# Altium PCB HIL_RIG_REV_1_2.PcbDoc (part 14 of 14)
Units mil, origin at the board's own origin, x right, y up, seen from the top; angles counter-clockwise.
Board outline 9845 x 7590 mil, 6 copper layers (Top Layer, Int1 (GND), Int2 (PWR), Int3 (Sign), Int4 (GND), Bottom Layer), stack 60.566 mil thick; 1465 components, 731 nets, 4058 pads, 3944 vias.
Unrouted connection lines stored in the file: 1754.
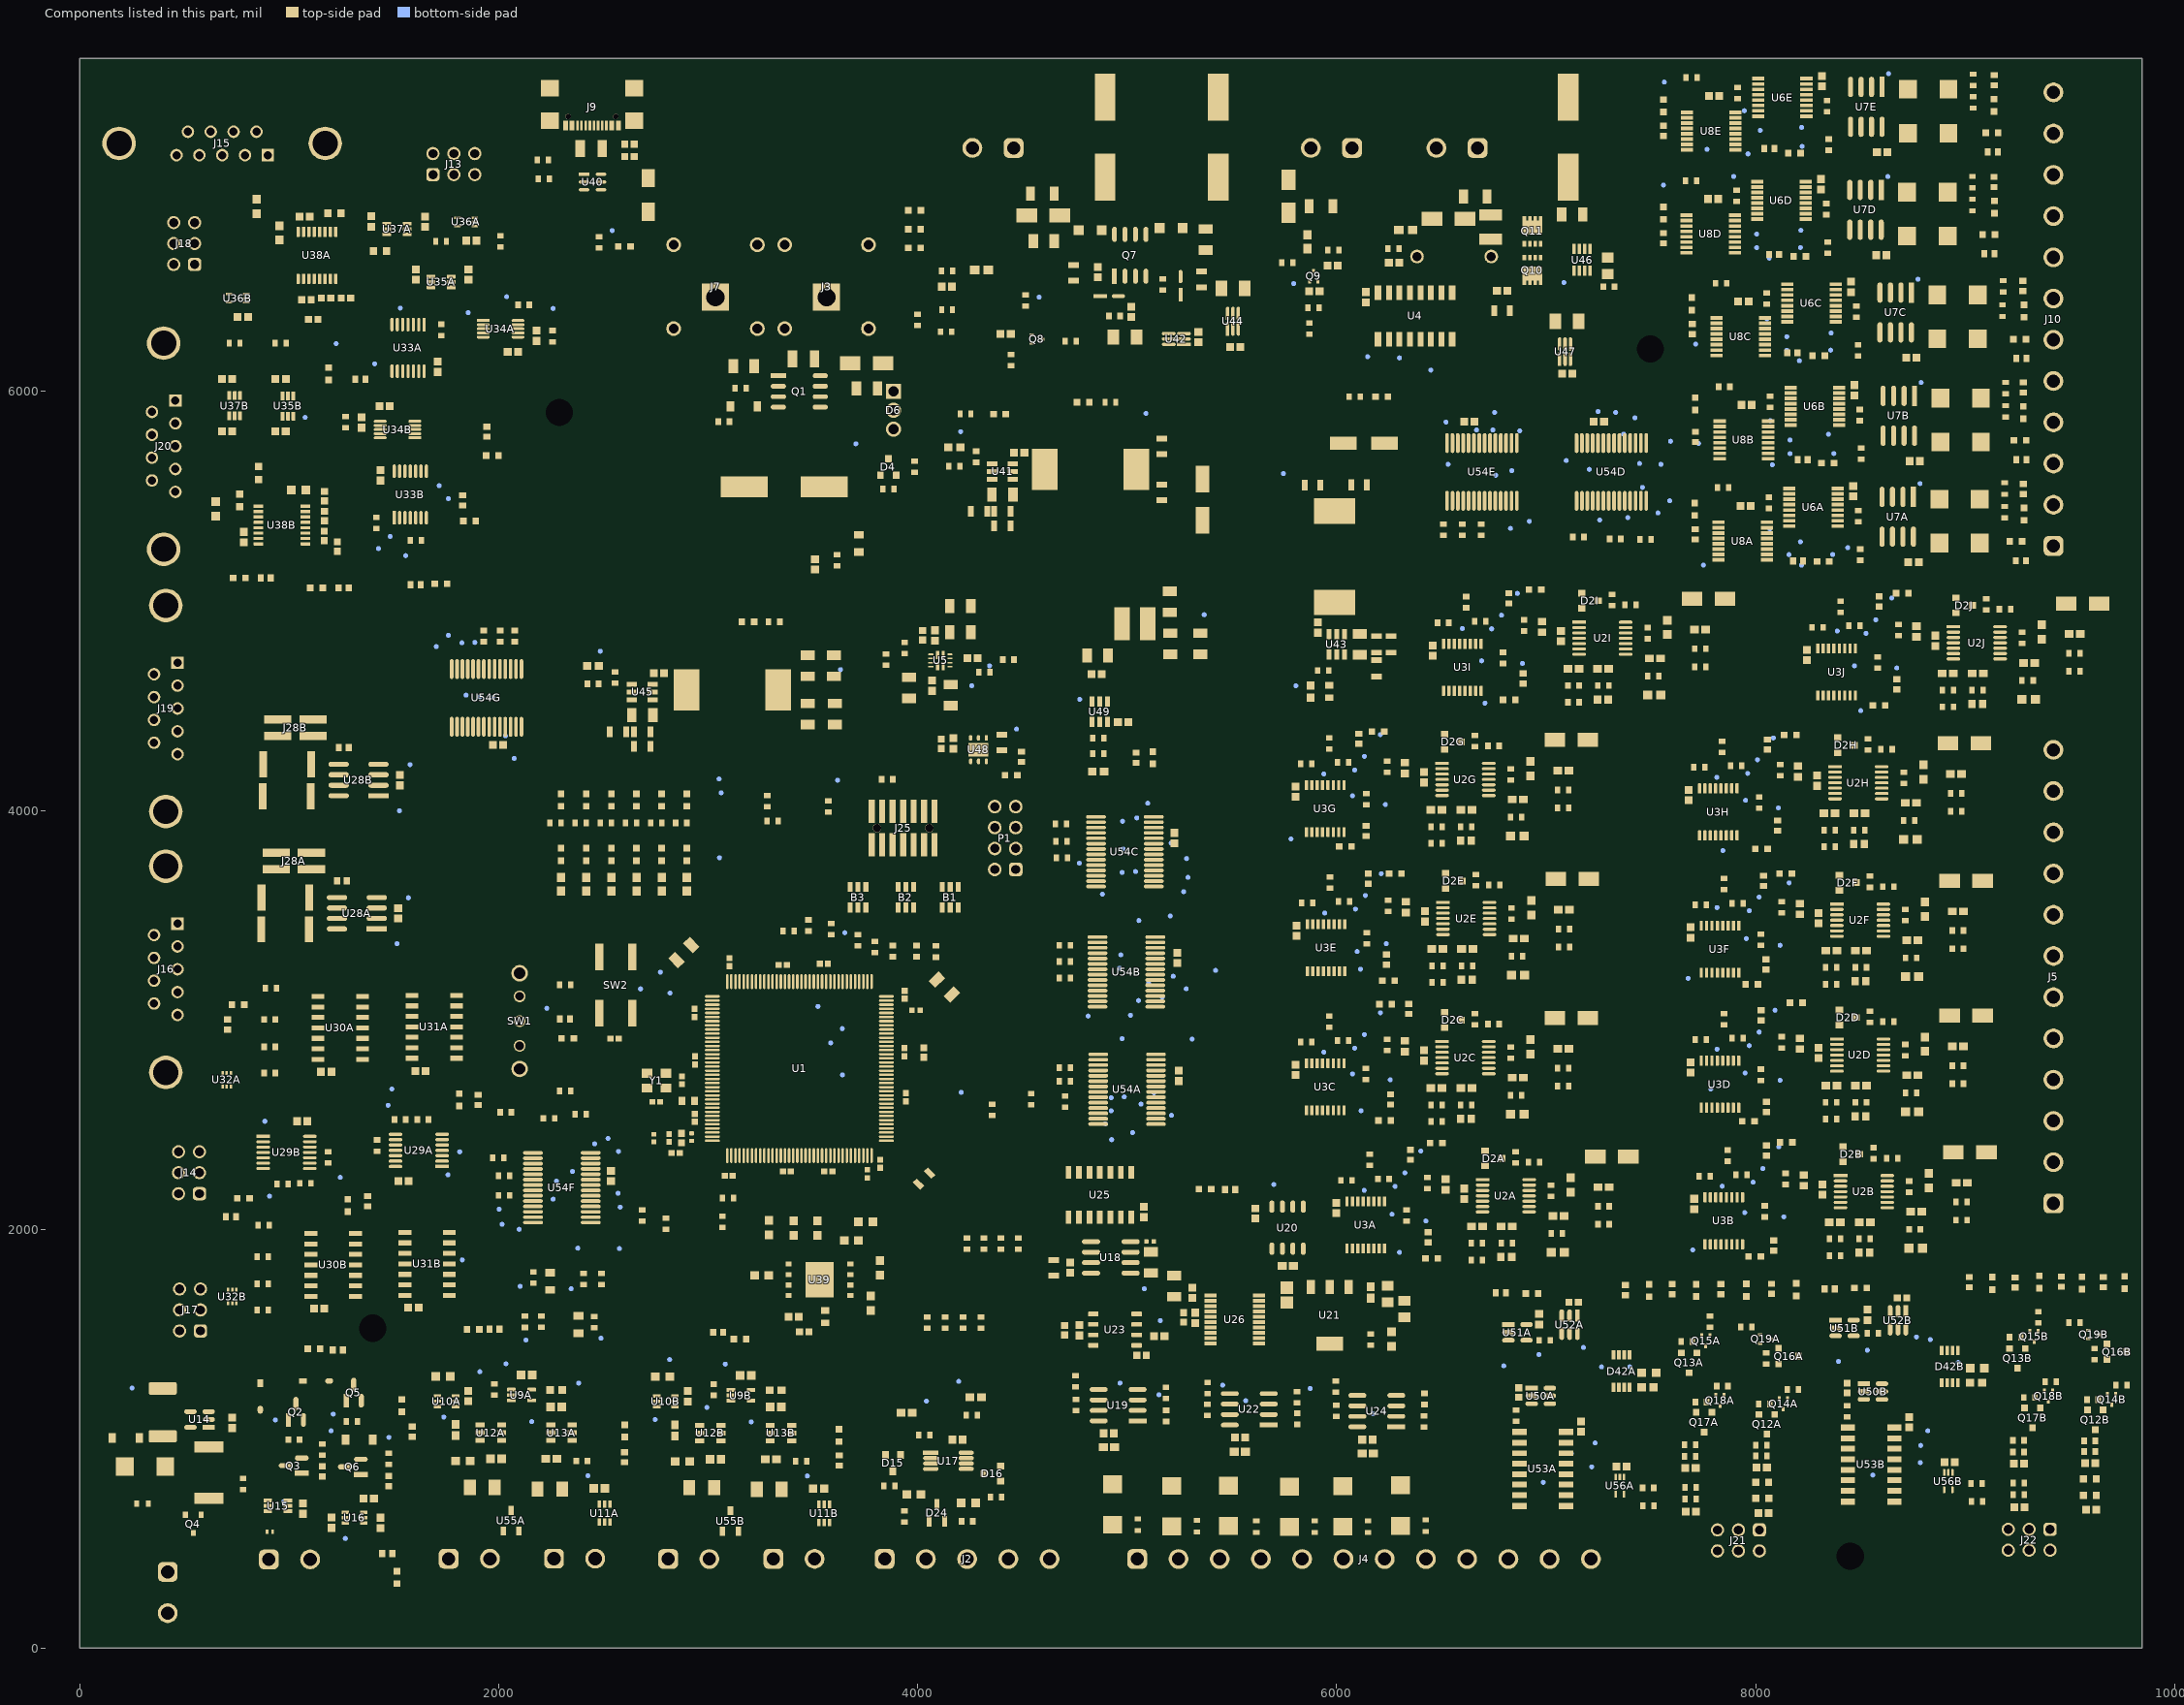
[diagram p18: the components of this part, seen from the top]

## Polygon pours and split planes (outlines as drawn) (continued)
GND on Top Layer "GND_L01_P1096" (solid, pour order 3799): 3087.26,688.52 3164.26,688.52 3164.26,630.52 3087.26,630.52
GND on Top Layer "GND_L01_P1098" (solid, pour order 3801): 3524.78,788.2 3524.78,737.04 3426.78,737.04 3426.78,788.52
GND on Top Layer "GND_L01_P1100" (solid, pour order 3803): 2880.26,1284.52 2924.26,1284.52 2924.26,1204.52 2881.24,1204.52
VREF_HVB on Top Layer "VREF_HVB_L01_P1102" (solid, pour order 3805): 3570.78,711.04 3570.78,667.04 3628.78,667.04 3628.78,711.04
VREF_LVB on Top Layer "VREF_LVB_L01_P1104" (solid, pour order 3807): 2868.26,1160.36 2868.26,1082.52 2986.26,1082.52 2986.26,1046.52 2816.26,1046.52 2816.26,1160.36
GND on Top Layer "GND_L01_P1106" (solid, pour order 3809): 3240.26,934.52 3298.26,934.52 3298.26,822.52 3240.26,822.52
24V on Int2 (PWR) "24V_L03_P4228" (solid, pour order 4228): 39 vertices, not listed, extent 7944,5152 8758,7554
GND on Int2 (PWR) "GND_L03_P4270" (solid, remove dead copper, pour order 4270): -13.06,2.24 -13.06,7592.24 9832.94,7592.24 9832.94,2.24
3V3 on Int2 (PWR) "3V3_L03_P4201" (solid, pour order 4201): 19 vertices, not listed, extent 3158,1474 6102,2860
VDD_REGULATED on Int2 (PWR) "VDD_REGULATED_L03_P4242" (solid, pour order 4242): 52 vertices, not listed, extent 4138,1830.49 9678.31,5104.7
12V on Int2 (PWR) "12V_L03_P4137" (solid, pour order 4137): 847,1210 847,1331 1022,1506 3066,1506 3066,1288 1422,1288 1094,960 562,960 562,1210
VIN on Int2 (PWR) "VIN_L03_P2835" (solid, pour order 4108): 6330,4772 5452,4772 5448,4768 5448,4452 6330,4452 6330,4456 6330,4462 6330,4774
VDD_REGULATED on Int2 (PWR) "VDD_REGULATED_L03_P4238" (solid, pour order 4238): 4494,694 4494,942 4639,1087 4308,1418 3618,1418 3618,1278 3790,1106 3790,702 3886,702 3886,876 3984,974 4360,974 4360,694
VDD_REGULATED on Int2 (PWR) "VDD_REGULATED_L03_P4237" (solid, pour order 4237): 17 vertices, not listed, extent 2732,1520 4550.59,3936
3V3 on Int2 (PWR) "3V3_L03_P4214" (solid, pour order 4214): 59 vertices, not listed, extent 5940,1406 8972,4854
5V on Int2 (PWR) "5V_L03_P4221" (solid, pour order 4221): 29 vertices, not listed, extent 6302,2168 7272.28,5229.14
24V on Int2 (PWR) "24V_L03_P4140" (solid, pour order 4140): 28 vertices, not listed, extent 1334,504 6650,1602
3V3 on Int2 (PWR) "3V3_L03_P4191" (solid, pour order 4191): 6936,1468 6984,1468 7070,1554 7070,1644 6870,1644 6870,1194 7060,1004 7270,1004 7270,1060 7108,1060 6936,1232
3V3 on Int2 (PWR) "3V3_L03_P4234" (solid, pour order 4234): 8500,1460.8 8639.2,1600 8640,1600 8640,1662.6 8637.6,1665 8636.6,1664 8486,1665 8422,1665 8422,1302 8699,1025 8815.6,1025 8815.6,1081 8735,1081 8500,1316
3V3 on Int2 (PWR) "3V3_L03_P4223" (solid, pour order 4223): 42 vertices, not listed, extent 184,572 2606,2940.56
3V3 on Int2 (PWR) "3V3_REGULATED_L03_P059" (solid, pour order 3751): 39 vertices, not listed, extent 4978,4414 7446,6092
3V3 on Int2 (PWR) "3V3_L03_P4224" (solid, pour order 4224): 18 vertices, not listed, extent 1880,3438 5332,4414
5V on Int2 (PWR) "5V_L03_P4159" (solid, pour order 4159): 23 vertices, not listed, extent 1844,4000 4288,6271
24V on Int2 (PWR) "24V_L03_P4255" (solid, pour order 4255): 7840,7030 8428,7030 8434,7024 8424,7014 8424,6456 7882,6456 7840,6498 5448,6498 5406,6456 5406,5818 5096,5818 5096,6810.88 7702,6810.88 7702,7562 7840,7562
5V on Int2 (PWR) "5V_L03_P4141" (solid, pour order 4141): 7144,5292 6342,5292 6342,5650 7562,5650 7562,5128 8877,5128 9056,4949 9056,4832 8800,4832 8800,4840.16 8578.16,5062 8380,5062 8306,4988 7400,4988 7144,4732
VIN on Int2 (PWR) "VIN_L03_P057" (solid, pour order 3750): 3940,5634 4388,5634 4388,5280 3968,5280 3672,4984 2732,4984 2732,4232 2416,4232 2416,5332 3430,5332 3430,6255 3850,6255 3940,6165
VDD_REGULATED on Int2 (PWR) "VDD_REGULATED_L03_P4241" (solid, pour order 4241): 2026,3156 2026,3040 2636,3040 2740,2936 2740,3156
5V_REGULATED on Int2 (PWR) "5V_REGULATED_L03_P2845" (solid, pour order 4117): 20 vertices, not listed, extent 3386,4464 7394,6460
5V on Int2 (PWR) "5V_L03_P4157" (solid, pour order 4157): 1320,704 1490,534 1490,320 7282,320 7282,860 7448,860 7448,182 1170,182 1170,704
3V3 on Int2 (PWR) "3V3_L03_P4171" (solid, pour order 4171): 1946,4940 1974,4912 2172,4912 2172,4570 2138,4536 1946,4536 1946,2450 1532,2450 1532,5841.51 1946,5841.51
5V on Int2 (PWR) "5V_L03_P4222" (solid, pour order 4222): 8219,2184 8219,2828 8219,4136 8217,4138 8798.16,4842 9055.92,4842 8570,4179 8570,2184
5V on Int2 (PWR) "5V_L03_P4162" (solid, pour order 4162): 4294,4824 4300,4818 4820,4818 4820,4542 4294,4542 4294,4168 4216,4168 4216,4200 4238,4222 4238,4346 4076,4346 4076,4414 4096,4414 4096,4594 4098,4824
24V on Int2 (PWR) "24V_L03_P4232" (solid, pour order 4232): 8080,5722 8054,5748 7938,5748 7938,5702.21 8013.63,5626.58 7936,5561.17 7936,5482 7978,5482 8100,5604 8450,5604 8450,5722
24V on Int2 (PWR) "24V_L03_P4231" (solid, pour order 4231): 7926,6242 7928,6240 8022,6240 8022,6214 8054,6182 8438,6182 8438,6094 8088,6094 7966,5972 7926,5972
VBUS on Int2 (PWR) "VBUS_L03_P4269" (solid, pour order 4269): 2464,7206 2618,7206 2632,7192 2632,5336 2462,5336 2462,7204
VBUS_RAW on Int2 (PWR) "VBUS_RAW_L03_P4264" (solid, pour order 4264): 2326,7117.08 2326,7386 2558,7386 2558,7208 2522,7208 2374,7208 2374,7117.08
3V3 on Int2 (PWR) "3V3_L03_P4202" (solid, pour order 4202): 4529,3230 5103,3230 5372.17,3227.17 5557,3412 6089,3412 6089,3522 4971,3522 4971,4008 4529,4008
5V on Int2 (PWR) "5V_L03_P4194" (solid, pour order 4194): 21 vertices, not listed, extent 6650,726 8982,1319
I2C_DUT_VCCB on Int2 (PWR) "I2C_DUT_VCCA_L03_P3674" (solid, pour order 4193): 8755.6,1519 8857.6,1417 9073.6,1417 9175.6,1519 9741.6,1519 9741.6,1101 9219.6,1101 9113.6,1207 8609.6,1207 8609.6,1519
VDD_REGULATED on Int2 (PWR) "VDD_REGULATED_L03_P4239" (solid, pour order 4239): 2941.94,1842 2198,1842 2046,1842 2046,1484 2074,1512 2941.94,1512
DAC_Reg_22V on Int2 (PWR) "DAC_REG_22V_L03_P4250" (solid, pour order 4250): 6118,906.27 6118,1344 5958,1504 5804,1504 5804,1404 5448,1048 4810,1048 4810,918
3V3 on Int2 (PWR) "3V3_L03_P4243" (solid, pour order 4243): 5316,4206 6028,4206 6114,4120 6114,4036 5316,4036
3V3_SW on Int2 (PWR) "3V3_SW_L03_P010" (solid, pour order 3710): 4923.69,4960.4 4853.69,4960.4 4853.69,4545.4 4923.69,4545.4 4923.69,4580.4
I2C_DUT_VCCA on Int2 (PWR) "I2C_DUT_VCCA_L03_P3674" (solid, pour order 4127): 7188,1498 7290,1396 7506,1396 7608,1498 8174,1498 8174,1080 7652,1080 7546,1186 7042,1186 7042,1498
5V on Int2 (PWR) "5V_L03_P4142" (solid, pour order 4142): 6336,4210 6448,4322 6590,4322 6590,4156 6338,4156 6336,4158
5V on Int2 (PWR) "5V_L03_P4144" (solid, pour order 4144): 6336,2882 6448,2994 6590,2994 6590,2828 6338,2828 6336,2830
5V on Int2 (PWR) "5V_L03_P4149" (solid, pour order 4149): 8212,4194 8324,4306 8466,4306 8466,4140 8214,4140 8212,4142
5V on Int2 (PWR) "5V_L03_P4158" (solid, pour order 4158): 1720,5978 2044,5978 2044,5848 1758,5848 1354.6,5848 1262.6,5940 826,6314 826,6388 946,6388 1432.34,5978
3V3 on Int2 (PWR) "3V3_L03_P4165" (solid, pour order 4165): 18 vertices, not listed, extent 610,5240 1840,6902
3V3 on Int2 (PWR) "3V3_L03_P4167" (solid, pour order 4167): 1588,6431.88 1738,6281.88 1738,6145.95 1716,6124.02 1716,6066 1828,6066 1828,6216.99 1844,6232.99 1844,6270 1888,6270 1888,6330 1831.23,6330 1831.23,6496 1588,6496
5V on Int2 (PWR) "5V_L03_P4203" (solid, pour order 4203): 1920,6670 1894,6696 1894,6754 1982,6754 1982,6262 1920,6262
3V3 on Int2 (PWR) "3V3_L03_P4207" (solid, pour order 4207): 943,5766 1121,5588 1599,5588 1599,5730 1195,5730 943,5982
3V3 on Int2 (PWR) "3V3_L03_P4208" (solid, pour order 4208): 28 vertices, not listed, extent 1870,780 3588,1648
3V3 on Int3 (Sign) "3V3_L04_P4260" (solid, pour order 4260): 7328,4638 7142,4638 7056,4724 6906,4724 6868,4766 6360,4766 6336,4790 6338,4792 6338,5085.36 8120,5098 8120,4716 7874,4470 7496,4470
GND on Int3 (Sign) "GND_L04_P4273" (solid, remove dead copper, pour order 4273): 0,0 9846,0 9846,7590 0,7590
12V on Int3 (Sign) "12V_L04_P4248" (solid, pour order 4248): 2740,1480 2858,1362 3044,1362 3044,1884 4248,1884 4574,1558 4576,1560 4834,1560 4834,1984 4714,2104 2740,2104
5V on Int3 (Sign) "5V_L04_P4263" (solid, pour order 4263): 5632,5062 5848,5278 5958,5278 5958,5638 5810,5638 5450,5278 4584,5278 4584,4544 4848,4544 4848,4764 4788,4824 4788,5024 4826,5062
24V on Int3 (Sign) "24V_L04_P4254" (solid, pour order 4254): 9140,2946.61 7074.37,886 6228,886 6228,1610 6648,1610 6648,1168 6810,1168 8518,2876 8518,4916 8662,5060 8364,5358 8244,5358 8244,5614 9140,5605.96
VBUS on Int3 (Sign) "VBUS_L04_P4266" (solid, pour order 4266): 4102,4830 4102,4720 3688,4720 3668,4740 3668,5042 2484,5042 2484,5516 2632,5516 2632,5126 3748,5126 3750,5128 3754,5124 3754,4830
VDD_REGULATED on Int3 (Sign) "VDD_REGULATED_L04_P4240" (solid, pour order 4240): 3630,1884 3044,1884 3044,1514 3386,1514 3620,1280 3980,1280 3980,1534
VDD_REGULATED on Int3 (Sign) "VDD_REGULATED_L04_P4252" (solid, pour order 4252): 4276,4510 4188,4422 3904,4422 3904,3736 4314,3736 4314,4118 4786,4118 4786,4510
5V on Int3 (Sign) "5V_L04_P4262" (solid, pour order 4262): 5958,5638 5958,5272 6492,5272 6492,5638
3V3 on Int3 (Sign) "3V3_L04_P4261" (solid, pour order 4261): 4570,3684 4878,3684 4878,3428 4794,3344 4794,2214 4280,2214 4280,2556 4551.94,2827.94
24V on Int3 (Sign) "24V_L04_P4251" (solid, pour order 4251): 5594,2192 5596,2190 5862,2190 5862,2112 6380,1594 6382,1596 6644,1596 6644,1370 6452,1370 6124,1370 6124,1530 5596,2058
5V on Int3 (Sign) "5V_L04_P4235" (solid, pour order 4235): 6952,1276 6850,1174 6648,1174 6648,1998 6490,2156 6490,2232 6691.18,2502 6952,2502
GND on Int1 (GND) (split plane): 9824.9,20.1 20.1,20.1 20.1,7569.9 9824.9,7569.9
GND on Int4 (GND) (split plane): 9824.9,20.1 20.1,20.1 20.1,7569.9 9824.9,7569.9

## Silkscreen, mask and mechanical layers (free items; w line width, h text height)
Top Overlay:
  lines w10: 745.69,2738.99 745.69,2752.99 ; 772,1704 772,1718
  lines w15: 732,240 732,272 ; 732,306 732,338 ; 732,370 732,402 ; 732,436 732,468 ; 734,48 734,80 ; 734,112 734,144 ; 734,178 734,210 ; 1276,248 1276,280 ; 1276,314 1276,346 ; 1276,378 1276,410 ; 1276,444 1276,476 ; 1278,56 1278,88 ; 1278,120 1278,152 ; 1278,186 1278,218
  text "RS232 CH1" at 1306,7530 h45 r270
  text "2UART CH1" at 2150,7182 h45 r180
  text "5VOUT" at 6697,7055 h50 r180
  text "12VOUT" at 6167,7033 h50 r180
  text "24VOUT" at 4343,7029 h50 r180
  text "UART / CH2" at 624,6766 h45 r270
  text "Digital Outputs" at 9346,6684 h45 r90
  text "-" at 2636,6436 h90
  text "RS232 CH2" at 542,6392 h45 r270
  text "+" at 3830,6336 h90
  text "PWR IN" at 2748,6230 h45 r90
  text "HIL-RIG" at 2114,5352 h120
  text "Angus C." at 2110,5181.33 h70
  text "Callum R." at 2758,5178 h70
  text "CAN CH2" at 548,5102 h45 r270
  text "Coen P." at 2108,5034 h70
  text "Tim V." at 2768,5026 h70
  text "CAN CH1" at 550,3834 h45 r270
  text "SPI CH1" at 468,2452 h45
  text "Digital Inputs" at 9336,1824 h45 r90
  text "SPI CH2" at 444,1760 h45
  text "PWM  / IN CH2" at 2592,612 h45
  text "PWM IN CH1" at 1576,606 h45
  text "HV" at 3328,544 h45
  text "Analog / Read" at 4558,536 h45
  text "HV" at 2258,530 h45
  text "LV" at 1702,526 h45
  text "LV" at 2804,524 h45
  text "Analog Out" at 6504,524 h45
  text "PWMGen  HVoltage" at 530,432 h45 r270
  text "PWMGen  LVoltage" at 1302,390 h45 r270
  text "I2C CH1" at 7584,80 h45 r90
  text "I2C CH2" at 8954,74 h45 r90
Bottom Overlay:
  text "24V 1A Output" at 4214,7498 h50 r180
  text "5V 1A Output" at 6430,7492 h50 r180
  text "12V 1A Output" at 5834,7490 h50 r180
  text "RS232 CH1" at 486,7374 h50 r180
  text "UART CH1" at 1586,7374 h50 r180
  text "GND" at 2972,7374 h50 r180
  text "Vin" at 3540,7368 h50 r180
  text "UART CH2" at 128,6484 h50 r270
  text "Digital Outputs" at 9788,6296 h50 r90
  text "RS232 CH2" at 176,5530 h50 r270
  text "CAN CH2" at 184,4640 h50 r270
  text "Digital Read" at 9800,3540 h50 r90
  text "CAN CH1" at 180,3432 h50 r270
  text "SPI CH1" at 278,2048 h50 r270
  text "SPI CH2" at 280,1426 h50 r270
  text "Analouge Read" at 4596,184 h50
  text "I2C CH2" at 8094,174 h50
  text "Analouge Outputs" at 6436,160 h50
  text "PWM Read High Voltage CH1" at 2089.52,147.29 h40
  text "PWM Read High Voltage CH1" at 2596,146 h40
  text "PWM Out High Voltage" at 22,116 h50 r270
  text "I2C CH1" at 9422,114 h50
  text "PWM Out Low Voltage" at 1146,22 h50

## Text inside footprints (layer, text, board x,y; h text height)
J15: Top 3D Body "PCB Edge" at 50.15,7550.54 h32 r180
J16: Top 3D Body "PCB Edge" at 44.37,2611.5 h32 r270
J19: Top 3D Body "PCB Edge" at 44.37,3856.5 h32 r270
J20: Top 3D Body "PCB Edge" at 34.37,5108.66 h32 r270